# Altium PCB H204_without WiFi.PcbDoc (part 2 of 3) (continued)
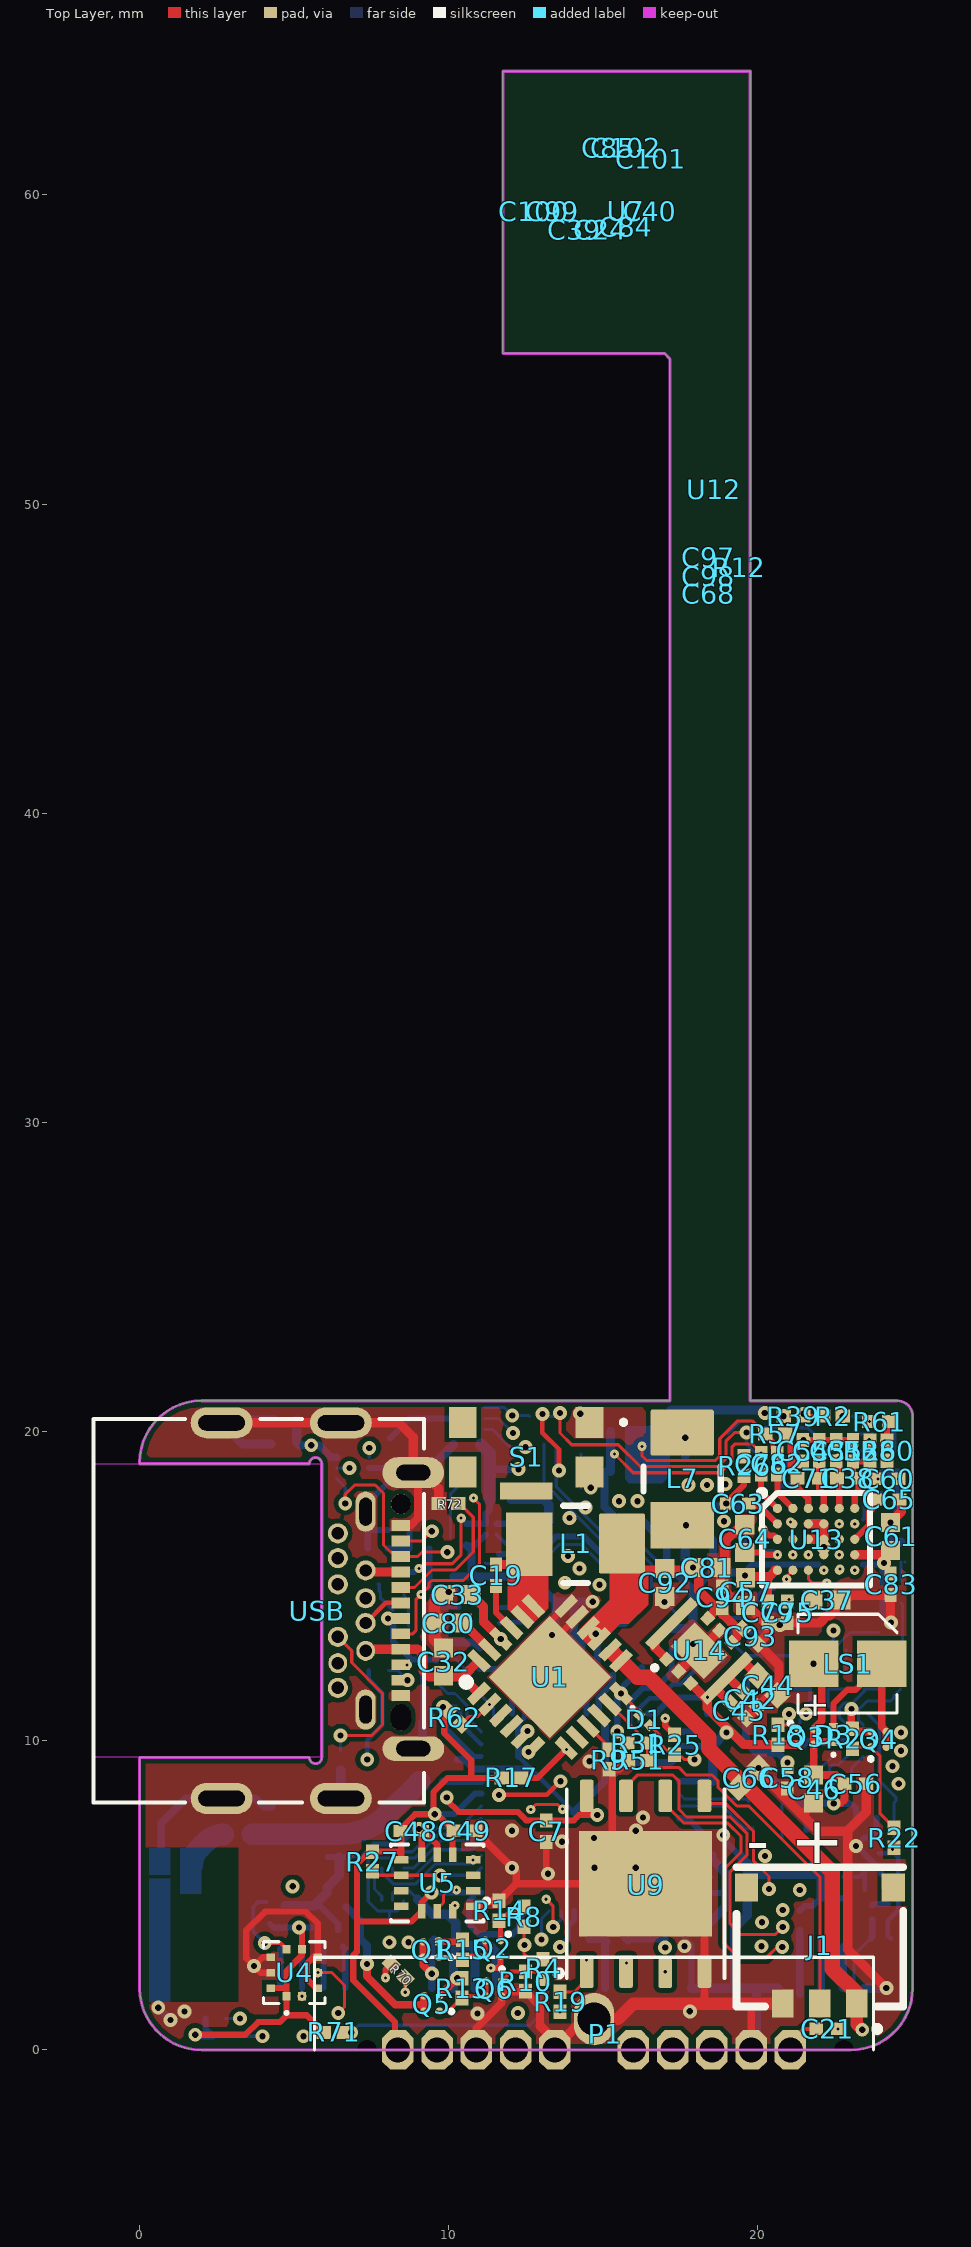
[diagram p0: Top Layer view]
## Nets (pads, with @x,y where several pads share a name; then routed paths per layer and width w, separated by ;. In a path a pad name is that pad's centre, name@x,y a point inside that pad or via, vN(x,y) a via of type N, cw(c..) or ccw(c..) an arc to the next point about the centre after c; other vN are vias at no path point) (continued)
ECG_INT: R60.2 U13.D2 U15.B14 | length 25.9
  Signal Layer 2 w0.1: v1(14.648,10.492) 15.056,10.492 15.346,10.202 15.346,9.664 15.893,9.117 16.556,9.117 17.548,10.109 17.548,10.97 15.508,13.01 15.508,15.425 15.253,15.68 15.253,17.503 v2(15.5,17.75)
  Signal Layer 1 w0.1: v2(15.5,17.75) 15.5,17.186 18.161,14.525 20.253,14.525 20.653,14.926 21.116,14.926 21.226,15.036 21.226,15.92 v3(21.128,16.017) 21.825,16.714 21.825,16.837 23.757,18.77 23.887,18.77 v3(24.177,19.06)
ECG_INT2: R61.2 U13.E2 U15.B16 | length 28.8
  Top Layer w0.1: v3(20.926,15.226) 20.926,15.315 U13.E2@21.128,15.517
  Signal Layer 2 w0.1: v1(14.248,10.492) 14.248,10.517 14.624,10.892 15.029,10.892 15.548,10.373 15.548,10.368 15.901,10.015 16.231,10.015 16.396,9.851 16.892,9.851 17.348,10.307 17.348,10.792 15.308,12.832 15.308,15.342 15.053,15.597 15.053,17.844 15.334,18.125 15.725,18.125 v2(16.1,17.75)
  Signal Layer 1 w0.1: v2(16.1,17.75) 16.1,16.869 18.244,14.725 20.012,14.725 20.328,15.041 20.328,16.142 20.547,16.36 21.185,16.36 21.625,16.8 21.625,16.932 24.094,19.401 24.225,19.401 24.401,19.577 24.401,19.884 23.961,20.325 v3(23.603,20.325) ; 20.328,15.226 v3(20.926,15.226)
ECG_SCLK: U13.E5 U15.AB2 | length 16.4
  Signal Layer 2 w0.1: v1(17.048,6.492) 17.072,6.492 17.24,6.325 17.505,6.325 17.748,6.568 17.748,6.685 18.513,7.45 21.898,7.45 22.098,7.25 22.608,7.25 23.25,7.892 23.25,8.313 23.975,9.038 23.975,9.331 24.322,9.679 v2(24.625,9.679)
  Signal Layer 1 w0.1: v3(22.651,15.551) 22.651,15.495 23.367,14.779 23.367,11.8 23.797,11.37 23.797,10.548 24.65,9.694 24.635,9.679 v2(24.625,9.679)
ECG_SDI: U13.E4 U15.AF2 | length 20.7
  Signal Layer 2 w0.1: v1(17.048,5.692) 17.774,5.692 18.218,6.137 18.991,6.137 19.905,7.05 20.786,7.05 22.151,5.685 22.151,4.969 22.427,4.694 22.837,4.694 23.08,4.937 23.08,5.73 22.475,6.335 22.475,6.834 23.45,7.809 23.45,8.23 24.35,9.13 v2(24.35,9.176)
  Signal Layer 1 w0.1: v3(22.128,15.517) 22.234,15.517 23.167,14.584 23.167,11.717 23.597,11.288 23.597,9.929 v2(24.35,9.176)
ECG_SDO: U13.E3 U15.AH2 | length 22.1
  Top Layer w0.1: U13.E3@21.628,15.517 21.628,15.235 21.78,15.083 21.798,15.101 v3(22.226,15.101)
  Signal Layer 2 w0.1: v1(17.048,5.292) 17.148,5.392 17.757,5.392 18.301,5.937 19.074,5.937 19.988,6.85 20.703,6.85 21.951,5.602 21.951,4.887 22.344,4.494 22.92,4.494 23.28,4.854 23.28,5.813 22.675,6.418 22.675,6.752 23.65,7.727 23.65,8.147 24.112,8.609 v2(24.55,8.609)
  Signal Layer 1 w0.1: v3(22.226,15.101) 22.226,15.055 22.967,14.314 22.967,11.634 23.397,11.205 23.397,9.428 24.216,8.609 v2(24.55,8.609)
EL1: C76.2 R2.1 R39.1 U11.6 USB.A10 | length 24.7
  Top Layer w0.1: v3(15.359,19.276) 15.965,18.67 18.789,18.67 19.162,19.042 19.162,19.51 19.247,19.595 19.822,19.595 20.1,19.317 v3(20.1,19.31)
  Top Layer w0.125: R39.1@21.55,20.5 R2.1@22.103,20.5
  Signal Layer 1 w0.1: v3(8.652,12.454) 11.3,15.102 11.3,18.818 11.979,19.497 v2(12.475,19.497) 15.138,19.497 v3(15.359,19.276) ; v3(20.1,19.31) 20.405,19.615 20.753,19.615 21.638,18.73 22.103,18.73 22.278,18.906 22.278,20.036 21.738,20.576 v2(21.476,20.576)
  Bottom Layer w0.1: U11.6@11.15,20.075 11.401,20.075 11.979,19.497 v2(12.475,19.497)
EL2: C82.2 R57.1 R58.1 U11.5 USB.B10 | length 25.2
  Top Layer w0.1: v3(9.036,15.575) 9.187,15.726 10.106,15.726 10.4,16.02 v3(10.4,17.2) ; v3(16.25,19.525) 16.25,19.216 16.396,19.07 18.624,19.07 18.762,19.208 18.762,19.766 19.346,20.35 19.811,20.35 R57.1@20.241,19.92
  Top Layer w0.15: R57.1@20.241,19.92 20.471,19.69 20.471,19.612 20.475,19.607 20.475,19.468 v3(20.628,19.315)
  Signal Layer 1 w0.1: USB.B10@6.41,15.91 6.91,16.41 8.201,16.41 v3(9.036,15.575) ; v3(10.4,17.2) 10.718,17.2 11.1,17.582 11.1,18.98 12.112,19.992 12.845,19.992 13.081,19.755 16.02,19.755 v3(16.25,19.525)
  Signal Layer 1 w0.15: v3(20.628,19.315) 21.593,18.35 22.315,18.35 23.6,19.635 v3(23.6,19.75)
  Bottom Layer w0.1: U11.5@11.15,20.425 11.605,20.425 v2(12.075,19.955)
EL3: R68.2 U11.4 USB.A8 USB.B8 | length 14.9
  Top Layer w0.1: USB.A8@8.45,13.46 8.834,13.46 8.935,13.561 8.935,14.567 v3(9.098,14.73) 9.365,14.997 9.365,15.102 9.453,15.19 10.472,15.19 10.989,15.707 10.989,17.661 v3(10.8,17.85)
  Signal Layer 1 w0.1: USB.B8@6.41,15.06 6.835,15.485 6.835,15.688 7.135,16.078 7.534,16.078 8.882,14.73 v3(9.098,14.73) ; v3(10.8,17.85) 10.8,19.275 v2(12.051,20.526)
  Bottom Layer w0.1: U11.4@11.15,20.775 11.802,20.775 v2(12.051,20.526) 12.577,20.526 R68.2@12.615,20.488
EN_1.8V: U15.B22 U16.B1 | length 7.4
  Signal Layer 2 w0.1: v1@11.84,16.371 v1(11.869,16.4) 11.869,16.341 12.225,15.986 12.225,14.709 11.639,14.123 11.639,12.401 13.048,10.992 v1(13.048,10.492)
  Bottom Layer w0.125: U16.B1@11.544,16.67 11.869,16.344 v1(11.869,16.4)
EN_3.3V: R63.1 U15.AJ1 | length 10.1
  Signal Layer 2 w0.1: v1(17.448,5.092) 19.087,5.092 20.226,6.231 v2(20.226,6.275)
  Signal Layer 1 w0.1: v2(20.226,6.275) 20.723,6.275 22.075,7.627 22.075,10.352 v2(21.551,10.876)
  Bottom Layer w0.1: R63.1@20.998,10.226 21.015,10.226 21.358,10.569 21.358,10.682 v2(21.551,10.876)
EN_5V: U2.6 U15.B18 | length 12.7
  Signal Layer 2 w0.1: v1(13.848,10.492) 13.748,10.592 13.748,10.935 12.051,12.631 12.051,13.97 12.82,14.738 13.963,14.738 14.853,15.628 14.853,17.938 15.24,18.325 16.078,18.325 v1(16.998,17.405)
FLASH_CLK: U9.6 U15.AK12 | length 16.4
  Top Layer w0.1: U9.6@17,8.22 17,7.94 17.604,7.336 19.023,7.336 19.449,6.91 19.449,6.394 18.9,5.845 18.9,3.45 19.37,2.98 20.27,2.98 20.62,3.33 v2(20.785,3.33)
  Signal Layer 2 w0.1: v1(15.048,4.892) 15.048,4.385 15.816,3.617 16.14,3.617 16.821,2.936 19.068,2.936 19.863,3.73 20.385,3.73 v2(20.785,3.33)
FLASH_CS: R19.2 U9.1 U15.AK14 | length 14.9
  Top Layer w0.1: R19.2@13.599,1.877 14.052,1.877 14.45,2.274 v3(14.45,2.903)
  Signal Layer 2 w0.1: v1(14.648,4.892) 14.748,4.792 14.748,4.402 15.733,3.417 16.057,3.417 16.739,2.736 19.496,2.736 v2(20.115,3.355)
  Signal Layer 1 w0.1: v3(14.45,2.903) 15.173,2.903 15.9,2.176 17.546,2.176 18.725,3.355 v2(20.115,3.355)
FLASH_IO0: U9.5 U15.AL5 | length 8.6
  Top Layer w0.1: U9.5@18.27,8.22 18.27,7.965 18.96,7.965 19.858,7.067 19.858,6.437 19.851,6.431 19.851,6.117 20.358,5.61 v2(20.358,5.205)
  Signal Layer 2 w0.1: v1@16.448,4.492 16.595,4.345 19.19,4.345 19.775,4.93 20.083,4.93 v2(20.358,5.205)
  other v1: 16.448,4.542
FLASH_IO1: U9.2 U15.AK8 | length 11.5
  Signal Layer 2 w0.1: v1(15.848,4.892) 15.848,4.868 16.048,4.668 16.048,4.375 16.206,4.217 16.388,4.217 16.46,4.145 19.273,4.145 19.858,4.73 20.561,4.73 20.762,4.529 v2(20.799,4.529)
  Signal Layer 1 w0.1: v3(15.75,2.817) 15.868,2.936 17.74,2.936 19.334,4.529 v2(20.799,4.529)
FLASH_IO2: U9.3 U15.AK10 | length 9.5
  Signal Layer 2 w0.1: v1(15.448,4.892) 15.348,4.792 15.348,4.368 15.899,3.817 16.223,3.817 16.295,3.745 19.439,3.745 19.823,4.129 v2(20.125,4.129)
  Signal Layer 1 w0.1: v3(17,2.53) 17.617,2.53 19.216,4.129 v2(20.125,4.129)
FLASH_IO3: U9.7 U15.AL9 | length 16.6
  Top Layer w0.1: U9.7@15.73,8.22 15.73,8.53 16.09,8.89 17.25,8.89 17.448,8.692 17.448,7.775 17.687,7.536 19.106,7.536 19.649,6.993 19.649,6.312 19.1,5.762 19.1,4.08 19.45,3.73 20.55,3.73 v2(20.799,3.979)
  Signal Layer 2 w0.1: v1@15.648,4.492 16.123,4.017 16.306,4.017 16.378,3.945 19.356,3.945 19.916,4.506 20.279,4.506 20.799,3.985 v2(20.799,3.979)
  other v1: 15.648,4.542
GND: ANT1.2 C1.2 C2.2 C3.2 C4.2 C5.2 C6.2 C7.2 C8.2 C9.2 C10.2 C11.2 C12.2 C13.2 C14.2 C15.2 C16.2 C17.2 C18.2 C20.1 C21.2 C24.2 C26.1 C27.1 C28.2 C29.2 C30.2 C31.2 C32.2 C33.2 C34.2 C35.2 C36.2 C37.2 C39.2 C40.2 C41.2 C42.1 C43.2 C44.2 C45.2 C46.2 C47.2 C48.2 C49.2 C50.2 C51.1 C52.2 C53.1 C54.2 C55.2 C56.2 C57.2 C58.2 C61.2 C62.2 C63.2 C64.2 C65.2 C66.2 C67.1 C68.2 C69.2 C70.2 C74.2 C75.2 C77.2 C78.1 C79.2 C80.2 C81.2 C83.2 C84.2 C85.2 C86.2 C87.2 C90.2 C91.2 C92.2 C93.2 C94.2 C95.2 C96.2 C97.1 C98.2 C99.1 C100.2 C101.1 C102.2 C103.2 C104.2 C105.2 C106.2 DS1.1 DS1.8 DS1.10 DS1.11 DS1.12 DS1.16 DS1.17 DS1.21 DS1.22 DS1.23 DS1.24 DS1.25 DS1.29 DS1.30 FL1.3 FL1.4 FL1.5 FL1.9 J1.3 L3.2 P1.3 P1.5 P1.9 Q2.S Q4.S Q6.S Q9.S Q10.S R3.1 R9.1 R10.1 R12.1 R14.1 R23.2 R26.1 R34.2 R51.2 R52.2 R56.1 R65.2 R67.2 R72.2 R73.2 S1.1 U1.17 U1.18 U1.25 U2.3 U2.4 U3.7 U3.10 U3.25 U4.3 U4.5 U4.8 U4.9 U5.1 U5.6 U5.7 U6.2 U7.4 U7.12 U9.4 U9.9 U10.2 U11.2 U12.2 U13.B3 U13.B4 U13.C3 U13.C4 U13.C5 U13.D4 U14.2 U14.5 U14.9 U15.104 U15.A25 U15.B12 U15.B26 U15.G1 U15.H2 U15.J31 U16.B2 U18.D2 USB.A1 USB.A12 USB.B1 USB.B12 USB.SH X2.2 X2.4 X4.2 | length 298.2
  Top Layer w0.2: U4.9@4.238,2.5 3.915,2.5 v2(3.698,2.717) ; U4.8@4.238,3 3.981,3 v2(3.698,2.717) ; U4.3@5.762,2 5.717,2 5.412,2.305 5.412,2.793 5.619,3 U4.5@5.762,3 5.762,4.093 5.379,4.476 4.058,4.476 3.45,3.868 3.45,2.965 v2(3.698,2.717) ; U5.7@9.124,6.313 9.124,7.029 9.175,7.08 9.624,6.631 U5.6@9.624,6.313 ; v3(11.357,2.652) 11.576,2.652 11.673,2.749 Q2.S@11.673,3.042 ; 13.149,5.375 13.15,5.374 C7.2@13.15,6.726 ; U1.18@13.8,14.358 13.27,13.828 13.27,13.121 U1.17@14.154,14.005 ; C94.2@18.842,14.992 18.849,14.992 19.242,14.6 19.242,14.592 19.509,14.325 C57.2@19.6,14.325 ; C63.2@19.05,17.775 19.55,18.275 R26.1@19.55,18.57 ; v2(21.476,19.726) 21.974,19.726 C53.1@21.978,19.73 C51.1@22.536,19.73 C52.2@23.073,19.73
  Top Layer w0.25: USB.A1@8.45,16.96 8.76,16.96 9,17.2 USB.SH@9,18.525 ; U5.1@10.786,4.65 11.05,4.65 11.22,4.82 R14.1@11.624,4.82 12.179,5.375 ; C49.2@10.857,7.092 12.179,5.77 12.179,5.375 ; P1.3@10.89,0.325 10.89,0.699 11.714,1.523 Q6.S@11.714,1.73 11.867,1.883 R10.1@12.488,1.883 ; R10.1@12.475,1.896 R10.1@12.488,1.883 ; 12.95,0.78 12.95,1.421 R10.1@12.488,1.883 ; R51.2@15.783,9.367 15.488,9.072 R9.1@15.173,9.072 15.285,8.96 15.285,6.455 U9.9@16.365,5.375 ; 18.27,1.5 U9.4@18.27,2.53 18.27,4.845 17.74,5.375 U9.9@16.365,5.375 ; 19.75,1.5 19.78,1.47 P1.9@19.78,0.492 ; v5(23.02,11.032) 23.02,10.417 R23.2@23.05,10.387 23.14,10.298 Q4.S@23.655,10.298 ; 12.179,5.375 13.149,5.375 U9.9@16.365,5.375
  Top Layer w0.3: USB.SH@2.65,20.285 USB.SH@6.51,20.285 8.383,20.285 8.85,19.818 USB.SH@8.85,18.675 9,18.525 9.3,18.525 9.671,18.154 R72.2@9.671,17.676 ; 12.95,0.78 13.43,0.3 13.658,0.3 14.358,1 P1.3@14.7,1 ; U14.2@17.435,12.247 U14.9@18.098,12.91 U14.5@18.761,13.573 ; 18.798,15.256 C81.2@18.798,15.602 18.798,15.724 18.925,15.851 18.925,16.434 19.301,16.81 C64.2@19.65,16.81 ; C57.2@19.544,14.51 19.618,14.51 19.618,14.422 20.232,13.808 C79.2@20.31,13.808 ; C43.2@19.618,10.72 20.37,11.472 C44.2@20.628,11.472 20.68,11.524 20.68,12.454 C93.2@19.997,13.137 20.31,13.45 C79.2@20.31,13.808 ; C66.2@19.858,9.176 C66.2@20.021,9.013 ; v2(20.021,9.119) C66.2@20.021,9.013 ; C58.2@20.791,8.314 C58.2@20.939,8.462 ; U13.C3@21.628,16.517 U13.C4@22.128,16.517 U13.B4@22.128,17.017 U13.B3@21.628,17.017 ; C46.2@21.8,7.99 21.422,7.612 ; C37.2@22.737,14.523 C37.2@22.737,14.567 ; C56.2@23.5,8.612 23.5,7.698 22.878,7.076 ; v2(24.15,2) 22.9,3.25 22.9,7.054 22.878,7.076 ; v2(24.288,17.06) 24.643,17.415 C65.2@24.643,17.745 ; v2(24.301,13.826) 24.288,13.839 C83.2@24.288,14.71 22.992,14.71 22.324,14.042 22.241,14.042 22.007,13.808 C75.2@20.948,13.808 C79.2@20.31,13.808 ; C66.2@20.021,9.013 21.422,7.612 ; 21.422,7.612 21.958,7.076 22.878,7.076
  Top Layer w0.4: C32.2@9.825,13.005 9.538,13.292 C80.2@9.538,13.805 9.538,14.443 9.907,14.812 v2(9.999,14.812) ; P1.3@14.7,1 15.47,1 15.97,1.5 18.27,1.5 19.75,1.5 J1.3@20.8,1.5
  Signal Layer 2 w0.2: v1(9.575,12.632) 10.225,11.983 v1(10.225,11.927) ; v2(20.021,9.119) 20.719,9.817 v1(21.45,9.817)
  Signal Layer 2 w0.25: v2(1,0.967) 2.517,0.967 3.017,1.467 3.335,1.467 3.698,1.83 v2(3.698,2.717)
  Signal Layer 2 w0.3: v1(8.76,1.304) 9.892,1.304 v1(10.139,1.551) ; v6(15.73,58.626) 15.73,59.095 16.135,59.5 v6(18.51,59.5) ; 16.53,59.5 U7.12@16.53,60.676 ; v6(18.025,52.825) 18.376,52.825 18.575,52.626 U12.2@18.575,51.525
  Signal Layer 2 w0.4: C68.2@18.739,47.1 C98.2@18.739,47.675 ; C97.1@18.739,48.275 C98.2@18.739,47.675 ; R12.1@19.375,47.635 18.779,47.635 C98.2@18.739,47.675
  Signal Layer 1 w0.15: 13.33,58.426 C39.2@14.05,58.426
  Signal Layer 1 w0.3: v3(11.357,2.652) 11.821,2.188 13.512,2.188 P1.3@14.7,1 ; C24.2@14.905,58.426 15.53,58.426 v6(15.73,58.626) 16.093,58.626 C40.2@16.493,59.026 ; C85.2@15.15,61.872 16.184,61.872 C101.1@16.53,61.526 17.322,61.526 18.51,60.338 v6(18.51,59.5) ; P1.9@19.972,0.492 20.784,1.304 22.583,1.304 ; v2(22.125,16.271) 22.125,16.521 v3(22.625,16.521) 23.749,16.521 v2(24.288,17.06) ; v3(22.583,0.68) 22.583,1.304 ; v2(24.15,2) 23.454,1.304 22.583,1.304
  Signal Layer 1 w0.4: 12.75,58.426 13.33,58.426 13.43,58.426 ; C100.2@12.75,59.126 12.75,58.427 12.751,58.426 12.751,57.224 13.075,56.9 16.575,56.9 18.025,55.45 v6(18.025,52.825) 18.025,48.086 17.514,47.575 17.514,20.799 17.295,20.58 v2(14.248,20.58) ; C99.1@13.35,59.126 13.35,58.506 13.43,58.426 ; C24.2@14.905,58.426 C39.2@14.05,58.426 13.43,58.426
  Bottom Layer w0.1: 6.79,6.24 7.133,6.24 7.556,6.663 ; U6.2@8.18,4.837 8.18,5.07 8.272,5.162 8.705,5.162 v1(8.991,4.876)
  Bottom Layer w0.15: 7.556,6.663 8.365,6.663 v4(8.54,6.838) ; U15.104@12.248,9.492 12.648,9.092 U15.104@14.048,7.692 ; U15.B26@12.248,10.492 12.248,10.552 12.448,10.752 U15.A25@12.448,10.892 ; 18.3,13.13 18.682,13.512 20.476,13.512 v2(20.706,13.742)
  Bottom Layer w0.2: C55.2@5.625,4.655 5.84,4.655 6.425,4.07 C27.1@6.425,3.875 ; v4@6.1,6.24 6.79,6.24 ; R67.2@7.378,16.217 7.378,17.342 USB.B12@7.31,17.41 ; U10.2@7.425,18.82 8.705,18.82 USB.SH@8.85,18.675 8.347,18.675 7.347,17.675 7.31,17.675 USB.B12@7.31,17.41 ; C91.2@8.03,16.817 7.423,16.817 7.31,16.93 USB.B12@7.31,17.41 ; 8.098,19.785 8.738,20.425 U11.2@10.1,20.425 ; Q10.S@8.2,13.71 8.2,13.21 8.778,12.632 9.117,12.632 ; C8.2@9.15,10.58 9.173,10.603 9.173,12.576 9.117,12.632 ; v1(9.575,12.632) 9.117,12.632 ; C74.2@10.573,16.32 10.844,16.32 U16.B2@11.194,16.67 ; U15.104@12.248,9.492 U15.B26@12.248,10.492 ; U15.H2@17.048,9.292 17.206,9.292 17.406,9.492 U15.G1@17.448,9.492 ; C9.2@17.65,3.58 17.85,3.38 DS1.21@17.85,2 ; v2(18.876,6.95) 18.876,6.816 18.89,6.802 18.893,6.802 19.4,6.295 C103.2@19.4,6.292 ; C70.2@19.55,15.442 19.812,15.705 U3.10@20.498,15.705 U3.25@21.948,15.705 ; R56.1@21.35,4.5 21.505,4.655 21.75,4.655 21.992,4.897 ; v1(21.45,9.817) 21.625,9.992 U18.D2@21.9,9.992 ; X4.2@21.773,6.225 21.773,5.695 21.792,5.676 ; 22.05,4.955 21.992,4.897 ; C30.2@22.79,4.897 21.992,4.897 ; C30.2@22.79,4.93 C30.2@22.9,4.93 ; R3.1@23.828,7.492 23.828,6.939 Q9.S@23.9,6.867 23.442,6.867 v2(23.175,6.6) 23.979,5.796 R65.2@23.979,5.694
  Bottom Layer w0.225: C20.1@10.258,9.392 10.497,9.392 10.797,9.092 U15.J31@11.048,9.092 U15.104@12.648,9.092
  Bottom Layer w0.25: 0.6,1.95 v2(0.6,1.367) v2(1,0.967) ; 0.7,6.295 0.7,7.342 1.493,8.135 USB.SH@2.65,8.135 3.745,8.135 4.013,7.867 v4(4.275,7.867) ; v4(8.54,6.838) 8.835,7.133 C16.2@9.053,7.133 ; v1(9.575,12.632) 9.575,12.748 10.003,13.176 10.839,13.176 C4.2@10.998,13.017 ; FL1.3@10.139,14.812 10.609,14.812 FL1.9@10.989,15.192 10.732,15.45 10.732,16.161 C74.2@10.573,16.32 ; FL1.4@10.139,15.312 FL1.5@11.839,15.312 12.641,15.312 13.45,14.503 ; C6.2@13.45,13.424 13.45,14.503 ; U15.104@14.048,7.692 U15.104@15.048,8.692 ; C10.2@14.05,13.78 14.05,13.376 14.3,13.126 C1.2@14.3,12.93 ; C15.2@14.55,3.58 15.025,3.58 C13.2@15.1,3.505 15.05,3.455 DS1.17@15.05,2 ; v2(14.653,14.498) 14.648,14.503 14.05,14.503 13.45,14.503 ; C87.2@15.035,18.718 15.035,17.565 15.393,17.207 16.177,17.207 17.048,16.336 17.048,15.728 17.9,14.876 ; U15.B12@15.048,10.492 U15.104@15.048,8.692 ; U15.H2@17.048,9.292 15.648,9.292 U15.104@15.048,8.692 ; 17.95,14.926 18.466,15.442 ; v2(18.975,17.675) 19.38,17.675 C31.2@19.55,17.505 19.48,17.575 18.468,17.575 U2.4@18.298,17.405 18.298,16.73 18.548,16.48 18.548,15.524 18.466,15.442 ; C70.2@19.55,15.442 18.466,15.442 ; C62.2@20.628,18.957 C29.2@21.238,18.957 21.238,19.488 v2(21.476,19.726)
  Bottom Layer w0.3: C45.2@4.25,19.6 3.335,19.6 USB.SH@2.65,20.285 2.741,20.376 C47.2@4.38,20.376 ; C50.2@4.7,4.66 5.62,4.66 C55.2@5.625,4.655 6.057,5.087 C67.1@6.057,5.248 6.455,5.646 6.455,6.23 ; R73.2@6.5,9.054 6.5,8.145 USB.SH@6.51,8.135 ; USB.SH@8.85,9.745 9.15,10.045 C8.2@9.15,10.58 ; USB.SH@8.85,18.675 9.248,18.675 C36.2@10.149,19.576 ; v1@8.987,4.871 9.466,4.392 v1(9.95,4.392) 10.225,4.117 v1(10.225,3.58) 10.225,3.301 ; DS1.10@10.15,2 10.15,3.226 10.225,3.301 ; P1.3@10.85,0.34 P1.3@10.89,0.3 ; DS1.11@10.85,2 10.85,3.267 10.75,3.367 ; DS1.12@11.55,2 11.55,3.146 11.329,3.367 10.75,3.367 ; v1(12.023,17.805) 13.075,17.805 13.235,17.645 C41.2@13.235,17.151 C41.2@13.235,17.076 ; C10.2@14.05,13.78 14.05,14.503 ; C87.2@15.233,18.718 C95.2@15.233,19.46 C96.2@15.233,19.992 ; C2.2@17.2,13.63 17.9,13.63 ; DS1.21@17.85,2 DS1.22@18.55,2 DS1.23@19.25,2 ; 17.95,14.926 17.9,14.876 17.9,13.63 ; C3.2@18.8,12.63 18.3,13.13 v2(17.9,13.13) 17.9,13.63 ; C104.2@19.25,8.68 19.582,8.68 v2(20.021,9.119) ; C103.2@19.4,6.292 19.65,6.042 19.65,5.68 20.554,5.68 20.558,5.676 21.792,5.676 21.997,5.676 22.05,5.623 22.05,4.955 ; 19.65,5.676 C14.2@19.65,5.08 19.65,4.355 19.25,3.955 DS1.23@19.25,2 ; P1.9@19.95,0.47 DS1.24@19.95,2 ; U3.7@20.431,14.188 U3.7@20.498,14.255 ; DS1.25@20.65,2 DS1.24@19.95,2 ; DS1.29@23.45,2 v2(24.15,2) ; R52.2@24.06,18.65 24.537,18.65 24.537,17.309 v2(24.288,17.06) 24.288,16.546 24.197,16.455 24.227,16.425 R34.2@24.627,16.425 ; C35.2@24.074,14.462 24.074,14.103 24.301,13.876 v2(24.301,13.826) ; 10.225,3.301 10.291,3.367 10.75,3.367 ; DS1.23@19.25,2 DS1.24@19.95,2
  other v1: 11.785,18.174
  other v2: 5.303,0.444 10.925,1.175 1.45,1.246 17.794,1.25 17.628,3.355 13.206,5.7 12.048,5.892 14.715,5.892 16.048,5.892 13.658,6.737 14.7,6.852 12.048,7.092 16.048,7.092 9.035,7.15 16.28,7.522 14.545,9.336 13.337,13.424
  other v4: 3.464,1.83 3.468,2.331 3.468,5.042 3.475,5.6 3.464,6.135 4.168,6.135 4.87,6.187 5.417,6.26 6.1,6.245 0.994,6.867 1.404,7.191 1.947,7.5 3.225,7.58 4.982,7.726 5.6,7.727 7.566,8.253 12.048,8.292 13.381,8.292 14.715,8.292 16.048,8.292 8.026,8.762 8.55,9.125 12.048,9.492 13.381,9.492 16.048,9.492 15.298,19.785
  other v5: 16.975,14.485
IMU_INT1: R59.2 U5.4 | length 27.8
  Signal Layer 2 w0.1: v2@14.147,15.497 v2(14.225,15.575) 14.225,16.303 13.5,17.028 13.5,17.402 v1(14.274,18.176) ; v1(14.281,19.276) 14.587,18.969 18.032,18.969 18.988,19.925 v1(19.025,19.925)
  Signal Layer 1 w0.1: v3(10.786,6.15) 11.322,6.686 11.322,7.416 12.001,8.095 12.001,9.013 11.525,9.489 11.525,10.238 11.011,10.751 11.011,12.312 11.622,12.922 11.834,12.922 12.054,13.142 12.054,13.972 13.657,15.575 v2(14.225,15.575)
  Bottom Layer w0.1: v1(14.274,18.176) 14.274,19.269 v1(14.281,19.276) ; v1(19.025,19.925) 19.45,20.35 19.78,20.35 20.005,20.125 21.607,20.125 21.851,19.881 21.851,19.512 21.85,19.511 21.85,18.817 22.117,18.55 R59.2@23.45,18.55
IMU_INT2: R27.2 U5.9 U15.AE31 | length 3.7
  Top Layer w0.1: R27.2@7.525,5.774 7.649,5.65 U5.9@8.461,5.65 9.711,5.65 v2(9.719,5.642)
  Bottom Layer w0.1: v2(9.719,5.642) 9.727,5.65 10.806,5.65 U15.AE31@11.048,5.892
INT1: R33.2 U15.V2 U18.A1 | length 7.6
  Signal Layer 2 w0.1: v1(17.048,7.292) 17.789,7.292 18.347,7.85 21.562,7.85 22.2,8.488 22.294,8.488 v1(22.891,9.086)
  Bottom Layer w0.1: R33.2@23.029,8.596 23.029,9.121 U18.A1@23.4,9.492
INT_Charger: R17.1 U1.7 U15.A17 | length 15.5
  Top Layer w0.2: R17.1@12.345,8.797 12.872,8.797 v3(13.8,9.725) U1.7@13.8,9.762
  Signal Layer 2 w0.1: v1(14.048,10.892) 14.048,10.918 12.251,12.714 12.251,13.87 12.919,14.538 14.162,14.538 14.499,14.875 14.7,14.875 v2(14.873,15.048)
  Signal Layer 1 w0.1: v3(13.8,9.725) 14.288,9.725 15.135,10.572 15.135,11.948 15.6,12.413 15.6,14.477 15.026,15.051 15.024,15.048 v2(14.873,15.048)
M_ON: R1.1 U15.AE1 | length 11.8
  Signal Layer 2 w0.1: v1(18.525,5.592) 19.304,5.592 19.851,6.139 19.851,6.431 20.071,6.65 20.62,6.65 21.751,5.519 21.751,4.804 22.261,4.294 23.003,4.294 23.575,4.866 23.575,6.983 23.951,7.359 v1(23.951,7.975)
  Bottom Layer w0.1: U15.AE1@17.448,5.892 17.844,5.892 18.144,5.592 v1(18.525,5.592)
MFIO: R28.2 U15.P2 U18.C1 | length 6.2
  Signal Layer 2 w0.1: v1(17.048,8.092) 17.09,8.05 21.338,8.05 v1(21.9,8.612)
  Bottom Layer w0.1: v1(21.9,8.612) 21.9,8.992 U18.C1@22.4,9.492
MFIO_1.8V: R35.2 R40.2 R44.1 U18.C3 | length 4.1
  Signal Layer 2 w0.1: v1(20.27,10.792) 20.57,10.492 20.841,10.492 20.843,10.491 21.153,10.491 21.155,10.492 v1(22.4,10.492)
  Bottom Layer w0.1: v1(22.4,10.492) 22.4,11.015 22.265,11.15 R40.2@22.265,11.672 R44.1@22.851,11.672
NetANT1_1: ANT1.1 C26.2 L4.2 | length 1.5
  Bottom Layer w0.7: 1.7,5.98 cw(c2.453,5.98) 1.921,6.512 2.044,6.636 2.15,6.742 cw(c2.696,6.196) L4.2@2.696,6.968
NetC3_1: C3.1 R11.2 U15.A5 | length 3.2
  Bottom Layer w0.2: U15.A5@16.448,10.892 16.697,10.892 17.209,11.404 18.358,11.404 ; R11.2@18.358,10.867 18.358,11.404 ; C3.1@18.8,11.73 18.474,11.404 18.358,11.404
NetC4_1: C4.1 C8.1 L2.1 U15.A27 U15.G31 | length 8
  Signal Layer 2 w0.2: v1(9.85,10.58) 10.888,9.542 11.193,9.542 11.793,10.142 11.993,10.142 12.198,10.347 12.198,10.742 v1(12.048,10.892)
  Bottom Layer w0.15: C8.1@9.8,10.58 v1(9.85,10.58) 9.954,10.58 9.954,10.381 10.842,9.492 U15.G31@11.048,9.492
  Bottom Layer w0.2: C4.1@10.998,12.317 12.041,12.317 12.048,12.31 v1(12.048,10.892)
NetC5_1: C5.1 U15.B6 | length 2.8
  Bottom Layer w0.15: U15.B6@16.248,10.492 16.248,10.552 16.161,10.639 16.161,11.051 16.49,11.38 16.796,11.38 17.248,11.832 17.502,11.832 C5.1@17.9,12.23
NetC6_1: C6.1 U15.A23 | length 2.6
  Bottom Layer w0.2: C6.1@12.75,13.38 12.7,13.33 12.7,11.748 12.848,11.6 U15.A23@12.848,10.892
NetC10_1: C10.1 L5.1 U15.A15 | length 3.9
  Bottom Layer w0.2: U15.A15@14.448,10.892 14.448,11.548 14.8,11.9 14.8,13.68 14.9,13.78 15.7,13.78
NetC11_1: C11.1 U15.A13 | length 1.4
  Bottom Layer w0.2: U15.A13@14.848,10.892 14.848,11.404 15.3,11.856 C11.1@15.3,12.13
NetC19_1: C19.1 L1.1 U1.19 U1.20 | length 3.4
  Top Layer w0.3: C19.1@11.525,15.705 12.12,15.705 L1.1@12.575,16.16 ; U1.19@12.74,14.358 12.575,14.523 L1.1@12.575,16.16 ; L1.1@12.775,16.36 L1.1@12.575,16.16
NetC19_2: C19.2 U1.21 | length 1.6
  Top Layer w0.2: C19.2@11.525,15.005 11.525,14.158 U1.21@12.033,13.651
NetC27_2: C27.2 C67.2 DS1.6 Q5.D | length 5.2
  Top Layer w0.25: v2(7.35,2.776) 7.35,2.38 8.267,1.463 9.2,1.463 ; Q5.D@9.2,1.25 Q5.D@9.2,1.75
  Bottom Layer w0.25: C67.2@6.693,4.612 7.125,4.18 7.125,3.605 7.35,3.38 v2(7.35,2.776)
NetC28_1: C28.1 DS1.9 Q1.D | length 2.8
  Top Layer w0.25: Q1.D@9.173,3.499 Q1.D@9.173,2.999 9.173,2.744 v2(9.45,2.467)
  Bottom Layer w0.25: DS1.9@9.45,2 v2(9.45,2.467) 9.45,3.505 C28.1@9.525,3.58
NetC29_1: C29.1 C62.1 U3.12 | length 2.7
  Signal Layer 2 w0.2: v1(20.498,16.505) 20.108,16.895 20.108,17.737 v1(20.628,18.257)
  Bottom Layer w0.2: v1(20.628,18.257) C29.1@21.238,18.257
NetC30_1: C30.1 DS1.28 | length 2.1
  Bottom Layer w0.25: DS1.28@22.75,2 22.75,3.305 22.9,3.455 C30.1@22.9,4.03
NetC38_1: C38.1 C52.1 R58.2 U13.A6 | length 2.2
  Top Layer w0.2: U13.A6@23.128,17.517 23.128,17.992 23.258,18.122 C38.1@23.258,18.492 23.073,18.677 C52.1@23.073,19.03 23.634,19.03 R58.2@23.664,19.06
NetC38_2: C38.2 C51.2 R2.2 U13.A5 | length 3.1
  Top Layer w0.2: v3(22.6,19.15) 22.6,18.603 22.628,18.575 U13.A5@22.628,17.517
  Signal Layer 1 w0.2: v3(22.6,19.15) 22.6,19.752 22.743,19.895 v5(22.743,20.5)
NetC53_2: C53.2 C71.2 R39.2 U13.A4 | length 3.8
  Top Layer w0.2: v3(21.978,19.03) C71.2@21.978,18.492 21.978,18.142 22.128,17.992 U13.A4@22.128,17.517
  Signal Layer 1 w0.2: v5(20.828,20.5) 21.177,20.151 21.724,20.151 21.978,19.897 v3(21.978,19.03)
NetC54_1: C54.1 C71.1 R57.2 U13.A3 | length 3.3
  Top Layer w0.2: R57.2@20.806,19.92 R57.2@20.806,19.992 ; R57.2@20.881,19.92 21.048,19.753 21.048,18.723 C71.1@21.278,18.492 21.278,18.186 21.628,17.836 U13.A3@21.628,17.517 ; 21.05,18.992 21.05,19.151 ; 21.088,19.03 C54.1@21.448,19.03
NetC59_1: C59.1 R47.2 U3.6 | length 6.5
  Signal Layer 2 w0.1: v1(21.148,14.255) 21.148,14.229 22.727,12.65 23.876,12.65 v1(24.302,13.076)
  Bottom Layer w0.1: v1(24.302,13.076) 24.61,13.076 ; R47.2@24.61,12.312 24.61,13.076 ; C59.1@24.627,14.463 24.676,14.414 24.676,13.142 24.61,13.076
NetC59_2: C59.2 R34.1 | length 0.6
  Bottom Layer w0.1: C59.2@24.627,15.163 R34.1@24.627,15.785
NetC60_1: C60.1 U13.B6 | length 2
  Signal Layer 1 w0.2: v3(23.128,17.017) 23.128,17.052 v3(24.547,18.47)
NetC60_2: C60.2 U13.B5 | length 2
  Signal Layer 1 w0.2: v3(22.628,17.017) 23.482,17.871 23.482,18.071 v3(23.882,18.47)
NetC63_1: C63.1 U13.B1 | length 1.1
  Top Layer w0.2: C63.1@19.775,17.575 19.8,17.6 20.046,17.6 U13.B1@20.628,17.017
NetC64_1: C64.1 U13.D1 | length 1.1
  Top Layer w0.2: C64.1@19.574,16.085 20.182,16.085 20.25,16.017 v3(20.628,16.017)
NetC65_1: C65.1 U13.C6 | length 1.6
  Top Layer w0.2: U13.C6@23.128,16.517 23.597,16.986 23.597,17.4 C65.1@23.943,17.745
NetC72_1: C72.1 DS1.3 | length 1.3
  Bottom Layer w0.1: C72.1@5.25,3.301 C72.1@5.297,3.348
  Bottom Layer w0.2: DS1.3@5.25,2 C72.1@5.25,3.267
NetC72_2: C72.2 DS1.2 | length 1.3
  Bottom Layer w0.2: DS1.2@4.55,2 C72.2@4.55,3.267
NetC73_1: C73.1 DS1.4 | length 1.4
  Bottom Layer w0.2: C73.1@5.875,3.342 5.95,3.267 DS1.4@5.95,2
NetC73_2: C73.2 DS1.5 | length 1.4
  Bottom Layer w0.2: C73.2@6.575,3.342 6.65,3.267 DS1.5@6.65,2
NetC76_1: C76.1 U13.A1 | length 1.3
  Top Layer w0.2: C76.1@20.1,18.61 20.1,18.045 U13.A1@20.628,17.517
NetC77_1: C77.1 DS1.27 | length 1.6
  Bottom Layer w0.25: DS1.27@22.05,2 C77.1@22.05,3.605
NetC80_1: C80.1 U1.23 | length 1.2
  Top Layer w0.3: C80.1@10.438,13.805 10.464,13.805 U1.23@11.325,12.944
NetC82_1: C82.1 U13.A2 | length 1.3
  Top Layer w0.2: C82.1@20.628,18.615 20.628,18.017 U13.A2@21.128,17.517